# KiCad board panel_50_1.kicad_pcb (continued)
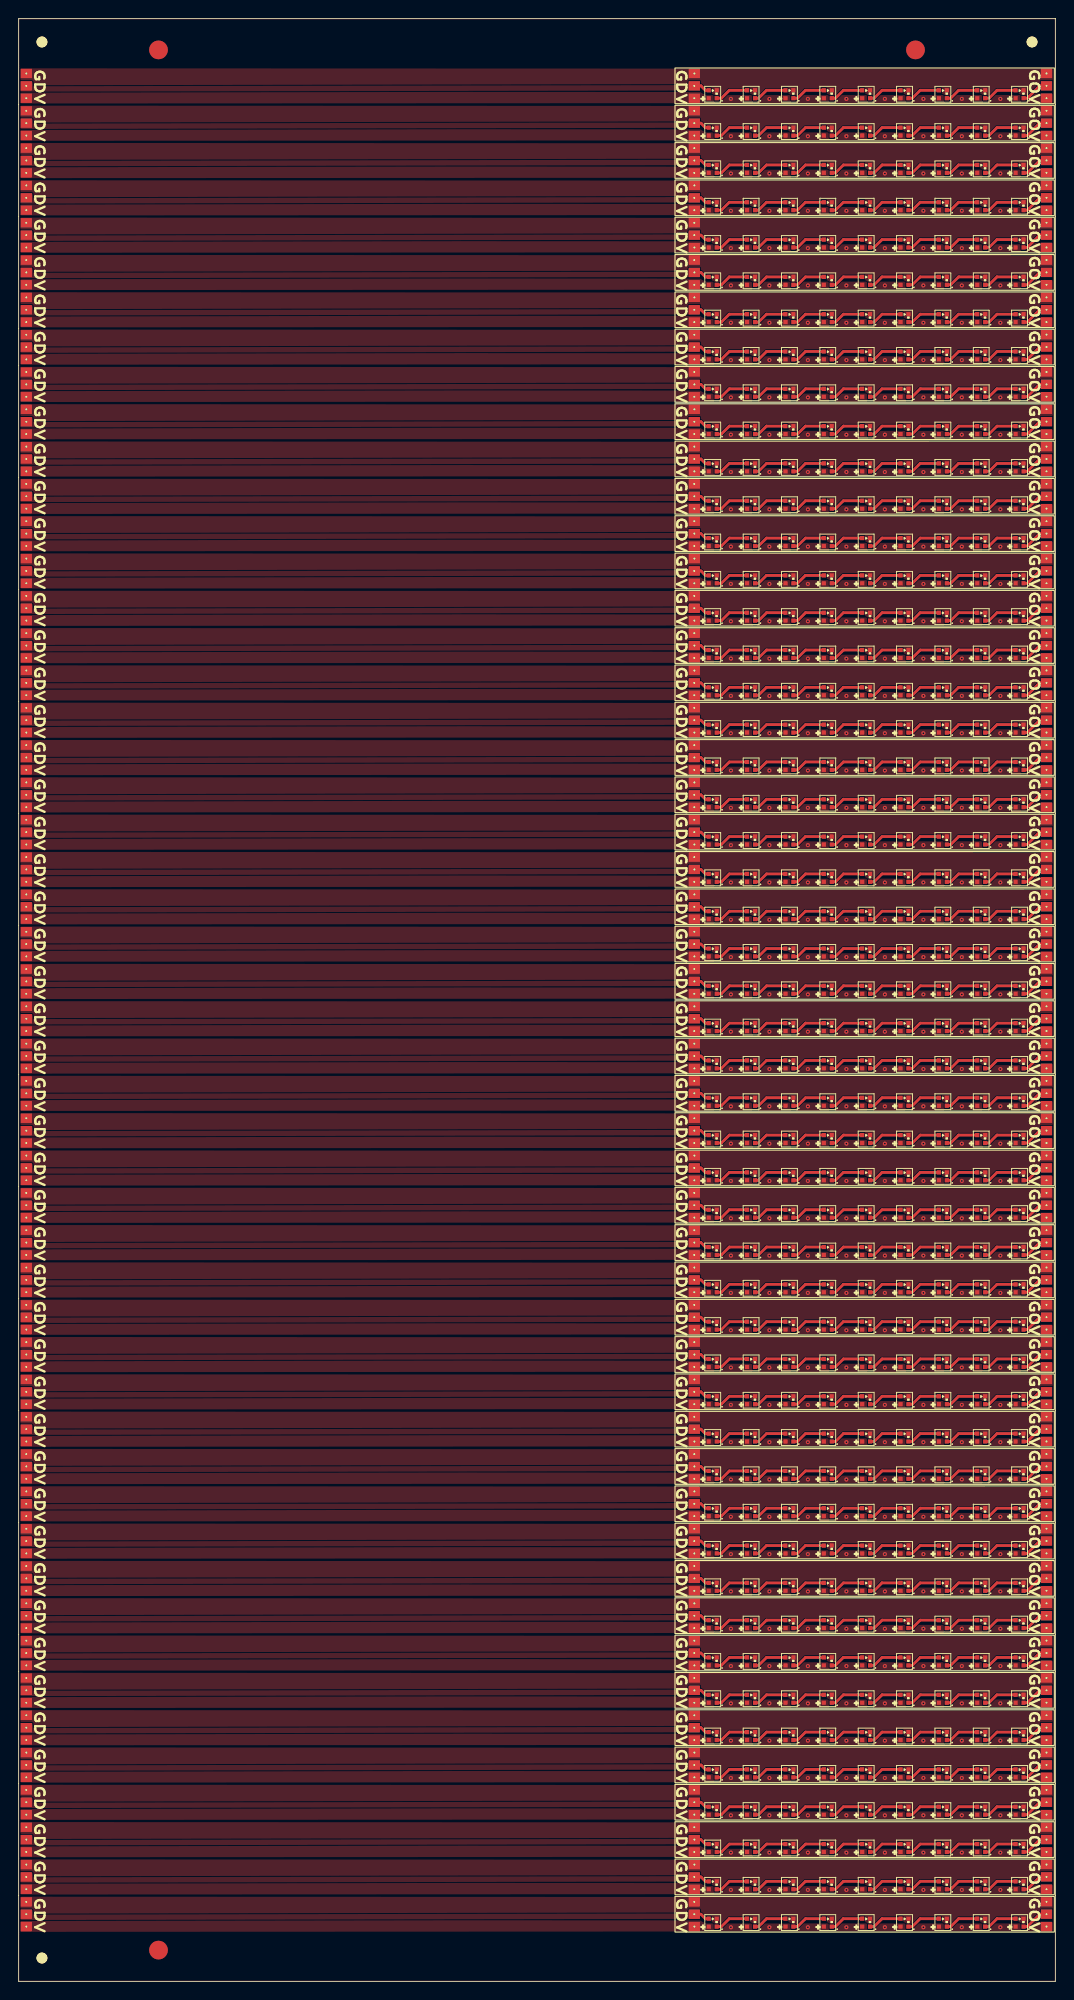
[diagram p0: board, top side]
## Nets (continued)
Board_41-LED_OUT: J4#19.1 U9#42.1
Board_41-Net-(U1-DOUT): U1#37.1 U2#41.4
Board_41-Net-(U2-DOUT): U2#41.1 U3#3.4
Board_41-Net-(U3-DOUT): U3#3.1 U4#31.4
Board_41-Net-(U4-DOUT): U4#31.1 U5#40.4
Board_41-Net-(U5-DOUT): U5#40.1 U6#28.4
Board_41-Net-(U6-DOUT): U6#28.1 U7#6.4
Board_41-Net-(U7-DOUT): U7#6.1 U8#48.4
Board_41-Net-(U8-DOUT): U8#48.1 U9#42.4
Board_42-+3V3: J1#13.1 J5#41.1 J7#30.1 U1#8.2 U2#38.2 U3#13.2 U4#42.2 U5#3.2 U6#20.2 U7#44.2 U8#12.2 U9#9.2
Board_42-GND: J2#16.1 J6#27.1 J8#13.1 U1#8.3 U2#38.3 U3#13.3 U4#42.3 U5#3.3 U6#20.3 U7#44.3 U8#12.3 U9#9.3
Board_42-LED_DATA: J3#50.1 J9#50.1 U1#8.4
Board_42-LED_OUT: J4#16.1 U9#9.1
Board_42-Net-(U1-DOUT): U1#8.1 U2#38.4
Board_42-Net-(U2-DOUT): U2#38.1 U3#13.4
Board_42-Net-(U3-DOUT): U3#13.1 U4#42.4
Board_42-Net-(U4-DOUT): U4#42.1 U5#3.4
Board_42-Net-(U5-DOUT): U5#3.1 U6#20.4
Board_42-Net-(U6-DOUT): U6#20.1 U7#44.4
Board_42-Net-(U7-DOUT): U7#44.1 U8#12.4
Board_42-Net-(U8-DOUT): U8#12.1 U9#9.4
Board_43-+3V3: J1#45.1 J5#4.1 J7#38.1 U1#17.2 U2#21.2 U3#6.2 U4#23.2 U5#35.2 U6#2.2 U7#40.2 U8#13.2 U9#39.2
Board_43-GND: J2#29.1 J6#50.1 J8#10.1 U1#17.3 U2#21.3 U3#6.3 U4#23.3 U5#35.3 U6#2.3 U7#40.3 U8#13.3 U9#39.3
Board_43-LED_DATA: J3#30.1 J9#33.1 U1#17.4
Board_43-LED_OUT: J4#22.1 U9#39.1
Board_43-Net-(U1-DOUT): U1#17.1 U2#21.4
Board_43-Net-(U2-DOUT): U2#21.1 U3#6.4
Board_43-Net-(U3-DOUT): U3#6.1 U4#23.4
Board_43-Net-(U4-DOUT): U4#23.1 U5#35.4
Board_43-Net-(U5-DOUT): U5#35.1 U6#2.4
Board_43-Net-(U6-DOUT): U6#2.1 U7#40.4
Board_43-Net-(U7-DOUT): U7#40.1 U8#13.4
Board_43-Net-(U8-DOUT): U8#13.1 U9#39.4
Board_44-+3V3: J1#16.1 J5#2.1 J7#12.1 U1#16.2 U2#47.2 U3#49.2 U4#21.2 U5#27.2 U6#38.2 U7#12.2 U8#41.2 U9#41.2
Board_44-GND: J2#36.1 J6#30.1 J8#50.1 U1#16.3 U2#47.3 U3#49.3 U4#21.3 U5#27.3 U6#38.3 U7#12.3 U8#41.3 U9#41.3
Board_44-LED_DATA: J3#17.1 J9#49.1 U1#16.4
Board_44-LED_OUT: J4#47.1 U9#41.1
Board_44-Net-(U1-DOUT): U1#16.1 U2#47.4
Board_44-Net-(U2-DOUT): U2#47.1 U3#49.4
Board_44-Net-(U3-DOUT): U3#49.1 U4#21.4
Board_44-Net-(U4-DOUT): U4#21.1 U5#27.4
Board_44-Net-(U5-DOUT): U5#27.1 U6#38.4
Board_44-Net-(U6-DOUT): U6#38.1 U7#12.4
Board_44-Net-(U7-DOUT): U7#12.1 U8#41.4
Board_44-Net-(U8-DOUT): U8#41.1 U9#41.4
Board_45-+3V3: J1#12.1 J5#20.1 J7#44.1 U1#42.2 U2#40.2 U3#33.2 U4#45.2 U5#36.2 U6#4.2 U7#4.2 U8#19.2 U9#17.2
Board_45-GND: J2#6.1 J6#35.1 J8#48.1 U1#42.3 U2#40.3 U3#33.3 U4#45.3 U5#36.3 U6#4.3 U7#4.3 U8#19.3 U9#17.3
Board_45-LED_DATA: J3#41.1 J9#4.1 U1#42.4
Board_45-LED_OUT: J4#13.1 U9#17.1
Board_45-Net-(U1-DOUT): U1#42.1 U2#40.4
Board_45-Net-(U2-DOUT): U2#40.1 U3#33.4
Board_45-Net-(U3-DOUT): U3#33.1 U4#45.4
Board_45-Net-(U4-DOUT): U4#45.1 U5#36.4
Board_45-Net-(U5-DOUT): U5#36.1 U6#4.4
Board_45-Net-(U6-DOUT): U6#4.1 U7#4.4
Board_45-Net-(U7-DOUT): U7#4.1 U8#19.4
Board_45-Net-(U8-DOUT): U8#19.1 U9#17.4
Board_46-+3V3: J1#11.1 J5#17.1 J7#41.1 U1#35.2 U2#42.2 U3#19.2 U4#9.2 U5#37.2 U6#32.2 U7#13.2 U8#31.2 U9#43.2
Board_46-GND: J2#25.1 J6#19.1 J8#5.1 U1#35.3 U2#42.3 U3#19.3 U4#9.3 U5#37.3 U6#32.3 U7#13.3 U8#31.3 U9#43.3
Board_46-LED_DATA: J3#42.1 J9#28.1 U1#35.4
Board_46-LED_OUT: J4#26.1 U9#43.1
Board_46-Net-(U1-DOUT): U1#35.1 U2#42.4
Board_46-Net-(U2-DOUT): U2#42.1 U3#19.4
Board_46-Net-(U3-DOUT): U3#19.1 U4#9.4
Board_46-Net-(U4-DOUT): U4#9.1 U5#37.4
Board_46-Net-(U5-DOUT): U5#37.1 U6#32.4
Board_46-Net-(U6-DOUT): U6#32.1 U7#13.4
Board_46-Net-(U7-DOUT): U7#13.1 U8#31.4
Board_46-Net-(U8-DOUT): U8#31.1 U9#43.4
Board_47-+3V3: J1#23.1 J5#25.1 J7#21.1 U1#20.2 U2#43.2 U3#23.2 U4#10.2 U5#28.2 U6#13.2 U7#37.2 U8#32.2 U9#23.2
Board_47-GND: J2#48.1 J6#4.1 J8#23.1 U1#20.3 U2#43.3 U3#23.3 U4#10.3 U5#28.3 U6#13.3 U7#37.3 U8#32.3 U9#23.3
Board_47-LED_DATA: J3#9.1 J9#24.1 U1#20.4
Board_47-LED_OUT: J4#8.1 U9#23.1
Board_47-Net-(U1-DOUT): U1#20.1 U2#43.4
Board_47-Net-(U2-DOUT): U2#43.1 U3#23.4
Board_47-Net-(U3-DOUT): U3#23.1 U4#10.4
Board_47-Net-(U4-DOUT): U4#10.1 U5#28.4
Board_47-Net-(U5-DOUT): U5#28.1 U6#13.4
Board_47-Net-(U6-DOUT): U6#13.1 U7#37.4
Board_47-Net-(U7-DOUT): U7#37.1 U8#32.4
Board_47-Net-(U8-DOUT): U8#32.1 U9#23.4
Board_48-+3V3: J1#21.1 J5#45.1 J7#17.1 U1#23.2 U2#35.2 U3#34.2 U4#44.2 U5#7.2 U6#36.2 U7#48.2 U8#43.2 U9#4.2
Board_48-GND: J2#19.1 J6#11.1 J8#21.1 U1#23.3 U2#35.3 U3#34.3 U4#44.3 U5#7.3 U6#36.3 U7#48.3 U8#43.3 U9#4.3
Board_48-LED_DATA: J3#36.1 J9#21.1 U1#23.4
Board_48-LED_OUT: J4#4.1 U9#4.1
Board_48-Net-(U1-DOUT): U1#23.1 U2#35.4
Board_48-Net-(U2-DOUT): U2#35.1 U3#34.4
Board_48-Net-(U3-DOUT): U3#34.1 U4#44.4
Board_48-Net-(U4-DOUT): U4#44.1 U5#7.4
Board_48-Net-(U5-DOUT): U5#7.1 U6#36.4
Board_48-Net-(U6-DOUT): U6#36.1 U7#48.4
Board_48-Net-(U7-DOUT): U7#48.1 U8#43.4
Board_48-Net-(U8-DOUT): U8#43.1 U9#4.4
Board_49-+3V3: J1#39.1 J5#32.1 J7#4.1 U1#48.2 U2#39.2 U3#4.2 U4#38.2 U5#44.2 U6#5.2 U7#31.2 U8#8.2 U9#10.2
Board_49-GND: J2#22.1 J6#37.1 J8#39.1 U1#48.3 U2#39.3 U3#4.3 U4#38.3 U5#44.3 U6#5.3 U7#31.3 U8#8.3 U9#10.3
Board_49-LED_DATA: J3#43.1 J9#8.1 U1#48.4
Board_49-LED_OUT: J4#24.1 U9#10.1
Board_49-Net-(U1-DOUT): U1#48.1 U2#39.4
Board_49-Net-(U2-DOUT): U2#39.1 U3#4.4
Board_49-Net-(U3-DOUT): U3#4.1 U4#38.4
Board_49-Net-(U4-DOUT): U4#38.1 U5#44.4
Board_49-Net-(U5-DOUT): U5#44.1 U6#5.4
Board_49-Net-(U6-DOUT): U6#5.1 U7#31.4
Board_49-Net-(U7-DOUT): U7#31.1 U8#8.4
Board_49-Net-(U8-DOUT): U8#8.1 U9#10.4

## Via types
v1: diameter 0.45, hole 0.2, Top to Bottom, 400 vias

## Routing (per net, layer and track width the routed paths; a pad name or vN(x,y) marks a point on that pad's centre or on a via; arc(x,y) is an arc through that point)
Board_0-+3V3:
  vias: v1(76.39,201.8) v1(80.52,201.8) v1(84.65,201.8) v1(88.78,201.8) v1(92.9,201.8) v1(97.03,201.8) v1(101.16,201.8) v1(105.29,201.8)
Board_0-LED_DATA: length 1.7
  Top w0.3: U1#14.4 73.66,202.72 73.18,203.19 J3#39.1
Board_0-LED_OUT: length 3
  Top w0.3: U9#19.1 108.18,201.87 109.51,203.2 J4#10.1
Board_0-Net-(U1-DOUT): length 3.6
  Top w0.3: U1#14.1 75.37,201.87 76.22,202.72 U2#46.4
Board_0-Net-(U2-DOUT): length 3.6
  Top w0.3: U2#46.1 79.36,201.87 80.21,202.72 U3#9.4
Board_0-Net-(U3-DOUT): length 3.6
  Top w0.3: U4#33.4 84.39,202.72 83.54,201.87 U3#9.1
Board_0-Net-(U4-DOUT): length 3.6
  Top w0.3: U5#26.4 88.45,202.72 87.6,201.87 U4#33.1
Board_0-Net-(U5-DOUT): length 3.6
  Top w0.3: U6#37.4 92.6,202.72 91.75,201.87 U5#26.1
Board_0-Net-(U6-DOUT): length 3.6
  Top w0.3: U7#18.4 96.69,202.72 95.84,201.87 U6#37.1
Board_0-Net-(U7-DOUT): length 3.6
  Top w0.3: U7#18.1 99.96,201.87 100.81,202.72 U8#3.4
Board_0-Net-(U8-DOUT): length 3.6
  Top w0.3: U9#19.4 104.93,202.72 104.08,201.87 U8#3.1
Board_1-+3V3:
  vias: v1(76.39,197.8) v1(80.52,197.8) v1(84.65,197.8) v1(88.78,197.8) v1(92.9,197.8) v1(97.03,197.8) v1(101.16,197.8) v1(105.29,197.8)
Board_1-LED_DATA: length 1.7
  Top w0.3: J3#20.1 73.18,199.19 73.66,198.72 U1#34.4
Board_1-LED_OUT: length 3
  Top w0.3: U9#46.1 108.18,197.87 109.51,199.2 J4#45.1
Board_1-Net-(U1-DOUT): length 3.6
  Top w0.3: U2#13.4 76.22,198.72 75.37,197.87 U1#34.1
Board_1-Net-(U2-DOUT): length 3.6
  Top w0.3: U2#13.1 79.36,197.87 80.21,198.72 U3#46.4
Board_1-Net-(U3-DOUT): length 3.6
  Top w0.3: U4#41.4 84.39,198.72 83.54,197.87 U3#46.1
Board_1-Net-(U4-DOUT): length 3.6
  Top w0.3: U5#2.4 88.45,198.72 87.6,197.87 U4#41.1
Board_1-Net-(U5-DOUT): length 3.6
  Top w0.3: U6#35.4 92.6,198.72 91.75,197.87 U5#2.1
Board_1-Net-(U6-DOUT): length 3.6
  Top w0.3: U7#14.4 96.69,198.72 95.84,197.87 U6#35.1
Board_1-Net-(U7-DOUT): length 3.6
  Top w0.3: U7#14.1 99.96,197.87 100.81,198.72 U8#45.4
Board_1-Net-(U8-DOUT): length 3.6
  Top w0.3: U9#46.4 104.93,198.72 104.08,197.87 U8#45.1
Board_2-+3V3:
  vias: v1(76.39,193.8) v1(80.52,193.8) v1(84.65,193.8) v1(88.78,193.8) v1(92.9,193.8) v1(97.03,193.8) v1(101.16,193.8) v1(105.29,193.8)
Board_2-LED_DATA: length 1.7
  Top w0.3: J3#6.1 73.18,195.19 73.66,194.72 U1#29.4
Board_2-LED_OUT: length 3
  Top w0.3: U9#45.1 108.18,193.87 109.51,195.2 J4#40.1
Board_2-Net-(U1-DOUT): length 3.6
  Top w0.3: U2#2.4 76.22,194.72 75.37,193.87 U1#29.1
Board_2-Net-(U2-DOUT): length 3.6
  Top w0.3: U2#2.1 79.36,193.87 80.21,194.72 U3#24.4
Board_2-Net-(U3-DOUT): length 3.6
  Top w0.3: U3#24.1 83.54,193.87 84.39,194.72 U4#40.4
Board_2-Net-(U4-DOUT): length 3.6
  Top w0.3: U4#40.1 87.6,193.87 88.45,194.72 U5#12.4
Board_2-Net-(U5-DOUT): length 3.6
  Top w0.3: U6#7.4 92.6,194.72 91.75,193.87 U5#12.1
Board_2-Net-(U6-DOUT): length 3.6
  Top w0.3: U7#28.4 96.69,194.72 95.84,193.87 U6#7.1
Board_2-Net-(U7-DOUT): length 3.6
  Top w0.3: U8#18.4 100.81,194.72 99.96,193.87 U7#28.1
Board_2-Net-(U8-DOUT): length 3.6
  Top w0.3: U9#45.4 104.93,194.72 104.08,193.87 U8#18.1
Board_3-+3V3:
  vias: v1(76.39,189.8) v1(80.52,189.8) v1(84.65,189.8) v1(88.78,189.8) v1(92.9,189.8) v1(97.03,189.8) v1(101.16,189.8) v1(105.29,189.8)
Board_3-LED_DATA: length 1.7
  Top w0.3: J3#13.1 73.18,191.19 73.66,190.72 U1#39.4
Board_3-LED_OUT: length 3
  Top w0.3: U9#30.1 108.18,189.87 109.51,191.2 J4#33.1
Board_3-Net-(U1-DOUT): length 3.6
  Top w0.3: U2#50.4 76.22,190.72 75.37,189.87 U1#39.1
Board_3-Net-(U2-DOUT): length 3.6
  Top w0.3: U2#50.1 79.36,189.87 80.21,190.72 U3#45.4
Board_3-Net-(U3-DOUT): length 3.6
  Top w0.3: U3#45.1 83.54,189.87 84.39,190.72 U4#7.4
Board_3-Net-(U4-DOUT): length 3.6
  Top w0.3: U4#7.1 87.6,189.87 88.45,190.72 U5#23.4
Board_3-Net-(U5-DOUT): length 3.6
  Top w0.3: U6#14.4 92.6,190.72 91.75,189.87 U5#23.1
Board_3-Net-(U6-DOUT): length 3.6
  Top w0.3: U6#14.1 95.84,189.87 96.69,190.72 U7#49.4
Board_3-Net-(U7-DOUT): length 3.6
  Top w0.3: U7#49.1 99.96,189.87 100.81,190.72 U8#34.4
Board_3-Net-(U8-DOUT): length 3.6
  Top w0.3: U9#30.4 104.93,190.72 104.08,189.87 U8#34.1
Board_4-+3V3:
  vias: v1(76.39,185.8) v1(80.52,185.8) v1(84.65,185.8) v1(88.78,185.8) v1(92.9,185.8) v1(97.03,185.8) v1(101.16,185.8) v1(105.29,185.8)
Board_4-LED_DATA: length 1.7
  Top w0.3: U1.4 73.66,186.72 73.18,187.19 J3#48.1
Board_4-LED_OUT: length 3
  Top w0.3: U9#15.1 108.18,185.87 109.51,187.2 J4#27.1
Board_4-Net-(U1-DOUT): length 3.6
  Top w0.3: U1.1 75.37,185.87 76.22,186.72 U2#48.4
Board_4-Net-(U2-DOUT): length 3.6
  Top w0.3: U2#48.1 79.36,185.87 80.21,186.72 U3#25.4
Board_4-Net-(U3-DOUT): length 3.6
  Top w0.3: U4#2.4 84.39,186.72 83.54,185.87 U3#25.1
Board_4-Net-(U4-DOUT): length 3.6
  Top w0.3: U4#2.1 87.6,185.87 88.45,186.72 U5#38.4
Board_4-Net-(U5-DOUT): length 3.6
  Top w0.3: U5#38.1 91.75,185.87 92.6,186.72 U6#49.4
Board_4-Net-(U6-DOUT): length 3.6
  Top w0.3: U7#8.4 96.69,186.72 95.84,185.87 U6#49.1
Board_4-Net-(U7-DOUT): length 3.6
  Top w0.3: U7#8.1 99.96,185.87 100.81,186.72 U8#5.4
Board_4-Net-(U8-DOUT): length 3.6
  Top w0.3: U8#5.1 104.08,185.87 104.93,186.72 U9#15.4
Board_5-+3V3:
  vias: v1(76.39,181.8) v1(80.52,181.8) v1(84.65,181.8) v1(88.78,181.8) v1(92.9,181.8) v1(97.03,181.8) v1(101.16,181.8) v1(105.29,181.8)
Board_5-LED_DATA: length 1.7
  Top w0.3: J3#34.1 73.18,183.19 73.66,182.72 U1#45.4
Board_5-LED_OUT: length 3
  Top w0.3: J4#9.1 109.51,183.2 108.18,181.87 U9#35.1
Board_5-Net-(U1-DOUT): length 3.6
  Top w0.3: U1#45.1 75.37,181.87 76.22,182.72 U2.4
Board_5-Net-(U2-DOUT): length 3.6
  Top w0.3: U3#26.4 80.21,182.72 79.36,181.87 U2.1
Board_5-Net-(U3-DOUT): length 3.6
  Top w0.3: U3#26.1 83.54,181.87 84.39,182.72 U4#13.4
Board_5-Net-(U4-DOUT): length 3.6
  Top w0.3: U4#13.1 87.6,181.87 88.45,182.72 U5#48.4
Board_5-Net-(U5-DOUT): length 3.6
  Top w0.3: U5#48.1 91.75,181.87 92.6,182.72 U6#42.4
Board_5-Net-(U6-DOUT): length 3.6
  Top w0.3: U6#42.1 95.84,181.87 96.69,182.72 U7#10.4
Board_5-Net-(U7-DOUT): length 3.6
  Top w0.3: U7#10.1 99.96,181.87 100.81,182.72 U8.4
Board_5-Net-(U8-DOUT): length 3.6
  Top w0.3: U8.1 104.08,181.87 104.93,182.72 U9#35.4
Board_6-+3V3:
  vias: v1(76.39,177.8) v1(80.52,177.8) v1(84.65,177.8) v1(88.78,177.8) v1(92.9,177.8) v1(97.03,177.8) v1(101.16,177.8) v1(105.29,177.8)
Board_6-LED_DATA: length 1.7
  Top w0.3: U1#11.4 73.66,178.72 73.18,179.19 J3#23.1
Board_6-LED_OUT: length 3
  Top w0.3: J4#5.1 109.51,179.2 108.18,177.87 U9#27.1
Board_6-Net-(U1-DOUT): length 3.6
  Top w0.3: U1#11.1 75.37,177.87 76.22,178.72 U2#24.4
Board_6-Net-(U2-DOUT): length 3.6
  Top w0.3: U2#24.1 79.36,177.87 80.21,178.72 U3#17.4
Board_6-Net-(U3-DOUT): length 3.6
  Top w0.3: U3#17.1 83.54,177.87 84.39,178.72 U4#17.4
Board_6-Net-(U4-DOUT): length 3.6
  Top w0.3: U5#10.4 88.45,178.72 87.6,177.87 U4#17.1
Board_6-Net-(U5-DOUT): length 3.6
  Top w0.3: U6.4 92.6,178.72 91.75,177.87 U5#10.1
Board_6-Net-(U6-DOUT): length 3.6
  Top w0.3: U6.1 95.84,177.87 96.69,178.72 U7#36.4
Board_6-Net-(U7-DOUT): length 3.6
  Top w0.3: U7#36.1 99.96,177.87 100.81,178.72 U8#37.4
Board_6-Net-(U8-DOUT): length 3.6
  Top w0.3: U8#37.1 104.08,177.87 104.93,178.72 U9#27.4
Board_7-+3V3:
  vias: v1(76.39,173.8) v1(80.52,173.8) v1(84.65,173.8) v1(88.78,173.8) v1(92.9,173.8) v1(97.03,173.8) v1(101.16,173.8) v1(105.29,173.8)
Board_7-LED_DATA: length 1.7
  Top w0.3: U1#30.4 73.66,174.72 73.18,175.19 J3#26.1
Board_7-LED_OUT: length 3
  Top w0.3: U9#5.1 108.18,173.87 109.51,175.2 J4#30.1
Board_7-Net-(U1-DOUT): length 3.6
  Top w0.3: U1#30.1 75.37,173.87 76.22,174.72 U2#23.4
Board_7-Net-(U2-DOUT): length 3.6
  Top w0.3: U3#30.4 80.21,174.72 79.36,173.87 U2#23.1
Board_7-Net-(U3-DOUT): length 3.6
  Top w0.3: U3#30.1 83.54,173.87 84.39,174.72 U4#49.4
Board_7-Net-(U4-DOUT): length 3.6
  Top w0.3: U5.4 88.45,174.72 87.6,173.87 U4#49.1
Board_7-Net-(U5-DOUT): length 3.6
  Top w0.3: U6#41.4 92.6,174.72 91.75,173.87 U5.1
Board_7-Net-(U6-DOUT): length 3.6
  Top w0.3: U7.4 96.69,174.72 95.84,173.87 U6#41.1
Board_7-Net-(U7-DOUT): length 3.6
  Top w0.3: U8#17.4 100.81,174.72 99.96,173.87 U7.1
Board_7-Net-(U8-DOUT): length 3.6
  Top w0.3: U9#5.4 104.93,174.72 104.08,173.87 U8#17.1
Board_8-+3V3:
  vias: v1(76.39,169.8) v1(80.52,169.8) v1(84.65,169.8) v1(88.78,169.8) v1(92.9,169.8) v1(97.03,169.8) v1(101.16,169.8) v1(105.29,169.8)
Board_8-LED_DATA: length 1.7
  Top w0.3: J3#32.1 73.18,171.19 73.66,170.72 U1#15.4
Board_8-LED_OUT: length 3
  Top w0.3: J4#32.1 109.51,171.2 108.18,169.87 U9#22.1
Board_8-Net-(U1-DOUT): length 3.6
  Top w0.3: U2#16.4 76.22,170.72 75.37,169.87 U1#15.1
Board_8-Net-(U2-DOUT): length 3.6
  Top w0.3: U2#16.1 79.36,169.87 80.21,170.72 U3#38.4
Board_8-Net-(U3-DOUT): length 3.6
  Top w0.3: U3#38.1 83.54,169.87 84.39,170.72 U4#43.4
Board_8-Net-(U4-DOUT): length 3.6
  Top w0.3: U5#17.4 88.45,170.72 87.6,169.87 U4#43.1
Board_8-Net-(U5-DOUT): length 3.6
  Top w0.3: U6#8.4 92.6,170.72 91.75,169.87 U5#17.1
Board_8-Net-(U6-DOUT): length 3.6
  Top w0.3: U6#8.1 95.84,169.87 96.69,170.72 U7#19.4
Board_8-Net-(U7-DOUT): length 3.6
  Top w0.3: U8#16.4 100.81,170.72 99.96,169.87 U7#19.1
Board_8-Net-(U8-DOUT): length 3.6
  Top w0.3: U8#16.1 104.08,169.87 104.93,170.72 U9#22.4
Board_9-+3V3:
  vias: v1(76.39,165.8) v1(80.52,165.8) v1(84.65,165.8) v1(88.78,165.8) v1(92.9,165.8) v1(97.03,165.8) v1(101.16,165.8) v1(105.29,165.8)
Board_9-LED_DATA: length 1.7
  Top w0.3: U1#46.4 73.66,166.72 73.18,167.19 J3#15.1
Board_9-LED_OUT: length 3
  Top w0.3: U9#28.1 108.18,165.87 109.51,167.2 J4#31.1
Board_9-Net-(U1-DOUT): length 3.6
  Top w0.3: U2#3.4 76.22,166.72 75.37,165.87 U1#46.1
Board_9-Net-(U2-DOUT): length 3.6
  Top w0.3: U2#3.1 79.36,165.87 80.21,166.72 U3#39.4
Board_9-Net-(U3-DOUT): length 3.6
  Top w0.3: U4#29.4 84.39,166.72 83.54,165.87 U3#39.1
Board_9-Net-(U4-DOUT): length 3.6
  Top w0.3: U5#31.4 88.45,166.72 87.6,165.87 U4#29.1
Board_9-Net-(U5-DOUT): length 3.6
  Top w0.3: U5#31.1 91.75,165.87 92.6,166.72 U6#6.4
Board_9-Net-(U6-DOUT): length 3.6
  Top w0.3: U6#6.1 95.84,165.87 96.69,166.72 U7#41.4
Board_9-Net-(U7-DOUT): length 3.6
  Top w0.3: U8#6.4 100.81,166.72 99.96,165.87 U7#41.1
Board_9-Net-(U8-DOUT): length 3.6
  Top w0.3: U9#28.4 104.93,166.72 104.08,165.87 U8#6.1
Board_10-+3V3:
  vias: v1(76.39,161.8) v1(80.52,161.8) v1(84.65,161.8) v1(88.78,161.8) v1(92.9,161.8) v1(97.03,161.8) v1(101.16,161.8) v1(105.29,161.8)
Board_10-LED_DATA: length 1.7
  Top w0.3: U1#9.4 73.66,162.72 73.18,163.19 J3#35.1
Board_10-LED_OUT: length 3
  Top w0.3: U9.1 108.18,161.87 109.51,163.2 J4#48.1
Board_10-Net-(U1-DOUT): length 3.6
  Top w0.3: U1#9.1 75.37,161.87 76.22,162.72 U2#10.4
Board_10-Net-(U2-DOUT): length 3.6
  Top w0.3: U2#10.1 79.36,161.87 80.21,162.72 U3#43.4
Board_10-Net-(U3-DOUT): length 3.6
  Top w0.3: U3#43.1 83.54,161.87 84.39,162.72 U4#39.4
Board_10-Net-(U4-DOUT): length 3.6
  Top w0.3: U5#15.4 88.45,162.72 87.6,161.87 U4#39.1
Board_10-Net-(U5-DOUT): length 3.6
  Top w0.3: U6#17.4 92.6,162.72 91.75,161.87 U5#15.1
Board_10-Net-(U6-DOUT): length 3.6
  Top w0.3: U7#5.4 96.69,162.72 95.84,161.87 U6#17.1
Board_10-Net-(U7-DOUT): length 3.6
  Top w0.3: U8#21.4 100.81,162.72 99.96,161.87 U7#5.1
Board_10-Net-(U8-DOUT): length 3.6
  Top w0.3: U8#21.1 104.08,161.87 104.93,162.72 U9.4
Board_11-+3V3:
  vias: v1(76.39,157.8) v1(80.52,157.8) v1(84.65,157.8) v1(88.78,157.8) v1(92.9,157.8) v1(97.03,157.8) v1(101.16,157.8) v1(105.29,157.8)
Board_11-LED_DATA: length 1.7
  Top w0.3: U1#28.4 73.66,158.72 73.18,159.19 J3#38.1
Board_11-LED_OUT: length 3
  Top w0.3: J4#49.1 109.51,159.2 108.18,157.87 U9#37.1
Board_11-Net-(U1-DOUT): length 3.6
  Top w0.3: U2#34.4 76.22,158.72 75.37,157.87 U1#28.1
Board_11-Net-(U2-DOUT): length 3.6
  Top w0.3: U3#32.4 80.21,158.72 79.36,157.87 U2#34.1
Board_11-Net-(U3-DOUT): length 3.6
  Top w0.3: U4#37.4 84.39,158.72 83.54,157.87 U3#32.1
Board_11-Net-(U4-DOUT): length 3.6
  Top w0.3: U4#37.1 87.6,157.87 88.45,158.72 U5#39.4
Board_11-Net-(U5-DOUT): length 3.6
  Top w0.3: U6#26.4 92.6,158.72 91.75,157.87 U5#39.1
Board_11-Net-(U6-DOUT): length 3.6
  Top w0.3: U7#43.4 96.69,158.72 95.84,157.87 U6#26.1
Board_11-Net-(U7-DOUT): length 3.6
  Top w0.3: U7#43.1 99.96,157.87 100.81,158.72 U8#40.4
Board_11-Net-(U8-DOUT): length 3.6
  Top w0.3: U9#37.4 104.93,158.72 104.08,157.87 U8#40.1
Board_12-+3V3:
  vias: v1(76.39,153.8) v1(80.52,153.8) v1(84.65,153.8) v1(88.78,153.8) v1(92.9,153.8) v1(97.03,153.8) v1(101.16,153.8) v1(105.29,153.8)
Board_12-LED_DATA: length 1.7
  Top w0.3: U1#12.4 73.66,154.72 73.18,155.19 J3#2.1
Board_12-LED_OUT: length 3
  Top w0.3: J4#21.1 109.51,155.2 108.18,153.87 U9#7.1
Board_12-Net-(U1-DOUT): length 3.6
  Top w0.3: U2#18.4 76.22,154.72 75.37,153.87 U1#12.1
Board_12-Net-(U2-DOUT): length 3.6
  Top w0.3: U3#48.4 80.21,154.72 79.36,153.87 U2#18.1
Board_12-Net-(U3-DOUT): length 3.6
  Top w0.3: U3#48.1 83.54,153.87 84.39,154.72 U4#30.4
Board_12-Net-(U4-DOUT): length 3.6
  Top w0.3: U5#49.4 88.45,154.72 87.6,153.87 U4#30.1
Board_12-Net-(U5-DOUT): length 3.6
  Top w0.3: U5#49.1 91.75,153.87 92.6,154.72 U6#22.4
Board_12-Net-(U6-DOUT): length 3.6
  Top w0.3: U7#17.4 96.69,154.72 95.84,153.87 U6#22.1
Board_12-Net-(U7-DOUT): length 3.6
  Top w0.3: U8#29.4 100.81,154.72 99.96,153.87 U7#17.1
Board_12-Net-(U8-DOUT): length 3.6
  Top w0.3: U9#7.4 104.93,154.72 104.08,153.87 U8#29.1
Board_13-+3V3:
  vias: v1(76.39,149.8) v1(80.52,149.8) v1(84.65,149.8) v1(88.78,149.8) v1(92.9,149.8) v1(97.03,149.8) v1(101.16,149.8) v1(105.29,149.8)
Board_13-LED_DATA: length 1.7
  Top w0.3: U1#31.4 73.66,150.72 73.18,151.19 J3#24.1
Board_13-LED_OUT: length 3
  Top w0.3: J4#35.1 109.51,151.2 108.18,149.87 U9#48.1
Board_13-Net-(U1-DOUT): length 3.6
  Top w0.3: U2#5.4 76.22,150.72 75.37,149.87 U1#31.1
Board_13-Net-(U2-DOUT): length 3.6
  Top w0.3: U2#5.1 79.36,149.87 80.21,150.72 U3#50.4
Board_13-Net-(U3-DOUT): length 3.6
  Top w0.3: U4#5.4 84.39,150.72 83.54,149.87 U3#50.1
Board_13-Net-(U4-DOUT): length 3.6
  Top w0.3: U4#5.1 87.6,149.87 88.45,150.72 U5#34.4
Board_13-Net-(U5-DOUT): length 3.6
  Top w0.3: U6#40.4 92.6,150.72 91.75,149.87 U5#34.1
Board_13-Net-(U6-DOUT): length 3.6
  Top w0.3: U6#40.1 95.84,149.87 96.69,150.72 U7#33.4
Board_13-Net-(U7-DOUT): length 3.6
  Top w0.3: U7#33.1 99.96,149.87 100.81,150.72 U8#11.4
Board_13-Net-(U8-DOUT): length 3.6
  Top w0.3: U8#11.1 104.08,149.87 104.93,150.72 U9#48.4
Board_14-+3V3:
  vias: v1(76.39,145.8) v1(80.52,145.8) v1(84.65,145.8) v1(88.78,145.8) v1(92.9,145.8) v1(97.03,145.8) v1(101.16,145.8) v1(105.29,145.8)
Board_14-LED_DATA: length 1.7
  Top w0.3: U1#4.4 73.66,146.72 73.18,147.19 J3#7.1
Board_14-LED_OUT: length 3
  Top w0.3: U9#47.1 108.18,145.87 109.51,147.2 J4#2.1
Board_14-Net-(U1-DOUT): length 3.6
  Top w0.3: U2#7.4 76.22,146.72 75.37,145.87 U1#4.1
Board_14-Net-(U2-DOUT): length 3.6
  Top w0.3: U3#41.4 80.21,146.72 79.36,145.87 U2#7.1
Board_14-Net-(U3-DOUT): length 3.6
  Top w0.3: U3#41.1 83.54,145.87 84.39,146.72 U4#26.4
Board_14-Net-(U4-DOUT): length 3.6
  Top w0.3: U4#26.1 87.6,145.87 88.45,146.72 U5#4.4
Board_14-Net-(U5-DOUT): length 3.6
  Top w0.3: U5#4.1 91.75,145.87 92.6,146.72 U6#27.4
Board_14-Net-(U6-DOUT): length 3.6
  Top w0.3: U6#27.1 95.84,145.87 96.69,146.72 U7#25.4
Board_14-Net-(U7-DOUT): length 3.6
  Top w0.3: U8#26.4 100.81,146.72 99.96,145.87 U7#25.1
Board_14-Net-(U8-DOUT): length 3.6
  Top w0.3: U9#47.4 104.93,146.72 104.08,145.87 U8#26.1
Board_15-+3V3:
  vias: v1(76.39,141.8) v1(80.52,141.8) v1(84.65,141.8) v1(88.78,141.8) v1(92.9,141.8) v1(97.03,141.8) v1(101.16,141.8) v1(105.29,141.8)
Board_15-LED_DATA: length 1.7
  Top w0.3: J3#21.1 73.18,143.19 73.66,142.72 U1#7.4
Board_15-LED_OUT: length 3
  Top w0.3: U9#50.1 108.18,141.87 109.51,143.2 J4#23.1
Board_15-Net-(U1-DOUT): length 3.6
  Top w0.3: U2#26.4 76.22,142.72 75.37,141.87 U1#7.1
Board_15-Net-(U2-DOUT): length 3.6
  Top w0.3: U3#10.4 80.21,142.72 79.36,141.87 U2#26.1
Board_15-Net-(U3-DOUT): length 3.6
  Top w0.3: U4.4 84.39,142.72 83.54,141.87 U3#10.1
Board_15-Net-(U4-DOUT): length 3.6
  Top w0.3: U5#29.4 88.45,142.72 87.6,141.87 U4.1
Board_15-Net-(U5-DOUT): length 3.6
  Top w0.3: U6#19.4 92.6,142.72 91.75,141.87 U5#29.1
Board_15-Net-(U6-DOUT): length 3.6
  Top w0.3: U7#3.4 96.69,142.72 95.84,141.87 U6#19.1
Board_15-Net-(U7-DOUT): length 3.6
  Top w0.3: U8#39.4 100.81,142.72 99.96,141.87 U7#3.1
Board_15-Net-(U8-DOUT): length 3.6
  Top w0.3: U9#50.4 104.93,142.72 104.08,141.87 U8#39.1
Board_16-+3V3:
  vias: v1(76.39,137.8) v1(80.52,137.8) v1(84.65,137.8) v1(88.78,137.8) v1(92.9,137.8) v1(97.03,137.8) v1(101.16,137.8) v1(105.29,137.8)
Board_16-LED_DATA: length 1.7
  Top w0.3: J3#29.1 73.18,139.19 73.66,138.72 U1#24.4
Board_16-LED_OUT: length 3
  Top w0.3: U9#24.1 108.18,137.87 109.51,139.2 J4#12.1
Board_16-Net-(U1-DOUT): length 3.6
  Top w0.3: U1#24.1 75.37,137.87 76.22,138.72 U2#6.4
Board_16-Net-(U2-DOUT): length 3.6
  Top w0.3: U2#6.1 79.36,137.87 80.21,138.72 U3#12.4
Board_16-Net-(U3-DOUT): length 3.6
  Top w0.3: U4#12.4 84.39,138.72 83.54,137.87 U3#12.1
Board_16-Net-(U4-DOUT): length 3.6
  Top w0.3: U4#12.1 87.6,137.87 88.45,138.72 U5#24.4
Board_16-Net-(U5-DOUT): length 3.6
  Top w0.3: U6#3.4 92.6,138.72 91.75,137.87 U5#24.1
Board_16-Net-(U6-DOUT): length 3.6
  Top w0.3: U6#3.1 95.84,137.87 96.69,138.72 U7#50.4
Board_16-Net-(U7-DOUT): length 3.6
  Top w0.3: U8#35.4 100.81,138.72 99.96,137.87 U7#50.1
Board_16-Net-(U8-DOUT): length 3.6
  Top w0.3: U8#35.1 104.08,137.87 104.93,138.72 U9#24.4
Board_17-+3V3:
  vias: v1(76.39,133.8) v1(80.52,133.8) v1(84.65,133.8) v1(88.78,133.8) v1(92.9,133.8) v1(97.03,133.8) v1(101.16,133.8) v1(105.29,133.8)